# KiCad board bb-pcb-v1.kicad_pcb
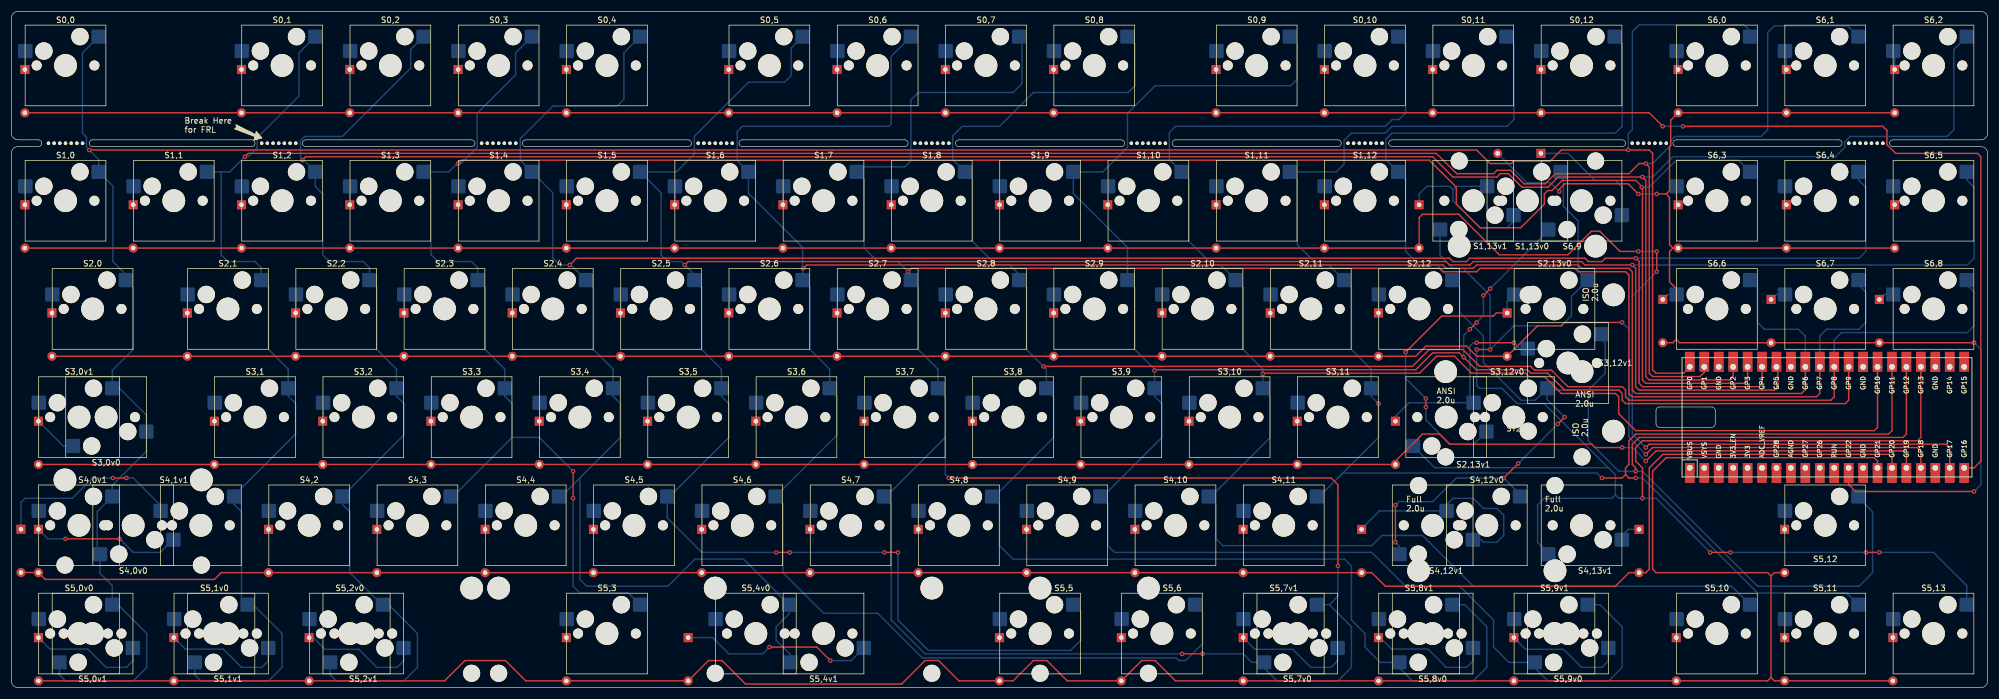
[diagram p0: board, top side]
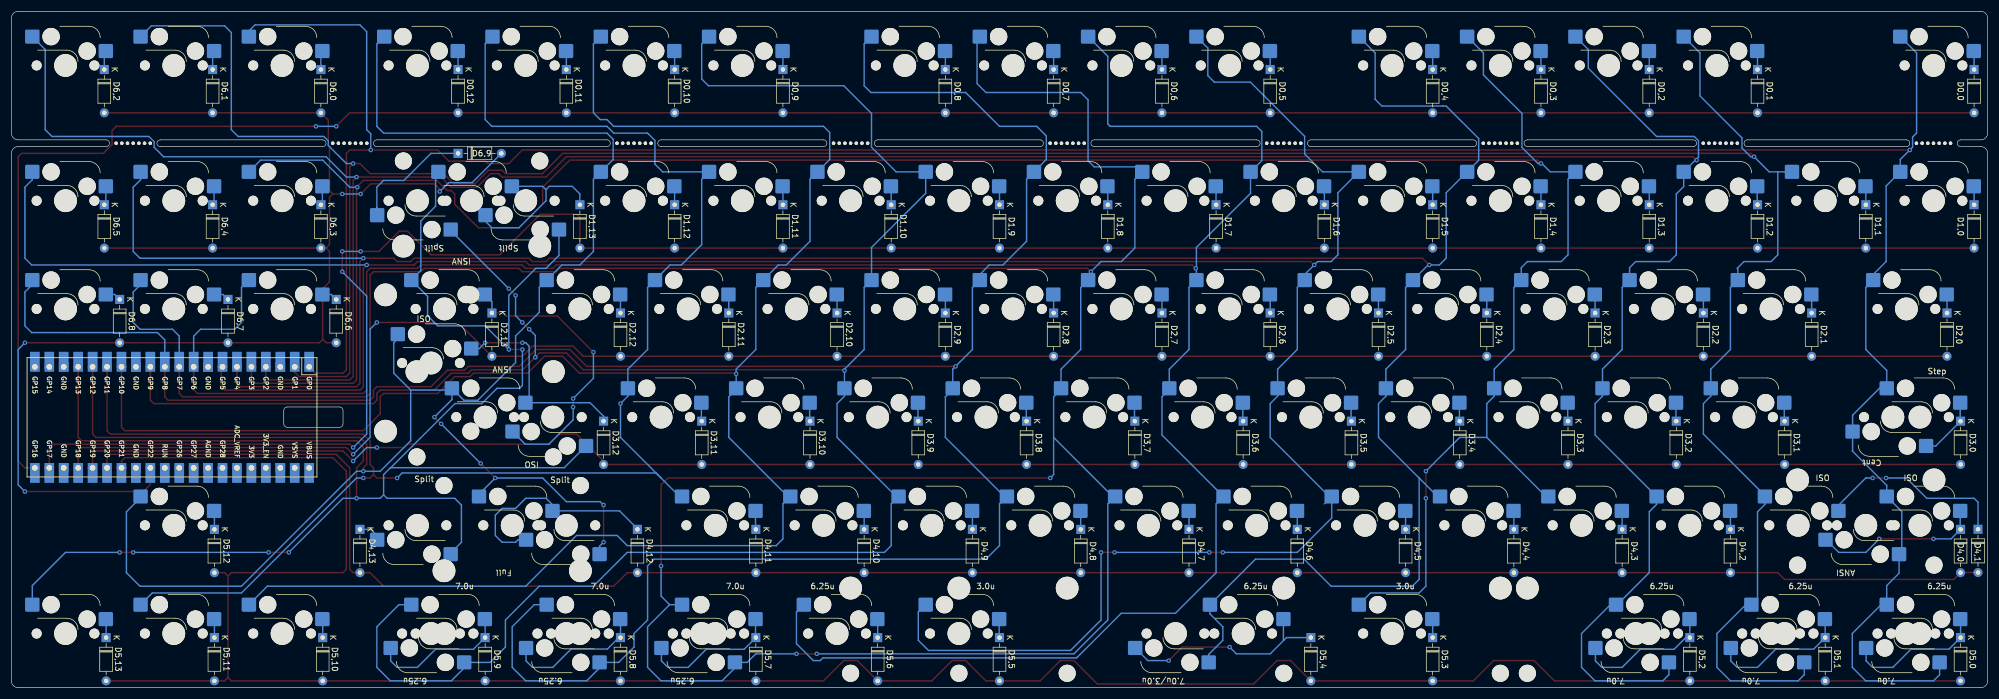
[diagram p1: board, bottom side, seen from below]

Outline 347.66 x 119.06 mm; copper layers: Top, Bottom. Coordinates in mm from the lower left corner of the outline.
Outline path: 0,94.06 0,1.19 arc(0.35,0.35) 1.19,0 346.47,0 arc(347.31,0.35) 347.66,1.19 347.66,94.06 arc(347.31,94.9) 346.47,95.25 330.99,95.25 arc(330.4,95.85) 330.99,96.44 346.47,96.44 arc(347.31,96.79) 347.66,97.63 347.66,117.87 arc(347.31,118.71) 346.47,119.06 1.19,119.06 arc(0.35,118.71) 0,117.87 0,97.63 arc(0.35,96.79) 1.19,96.44 4.76,96.44 arc(5.36,95.85) 4.76,95.25 1.19,95.25 arc(0.35,94.9) 0,94.06 ; 14.29,95.25 arc(13.69,95.85) 14.29,96.44 42.27,96.44 arc(42.86,95.85) 42.27,95.25 14.29,95.25 ; 51.79,95.25 arc(51.2,95.85) 51.79,96.44 80.96,96.44 arc(81.56,95.85) 80.96,95.25 51.79,95.25 ; 90.49,96.44 119.06,96.44 arc(119.66,95.85) 119.06,95.25 90.49,95.25 arc(89.89,95.85) 90.49,96.44 ; 128.59,96.44 157.16,96.44 arc(157.76,95.85) 157.16,95.25 128.59,95.25 arc(127.99,95.85) 128.59,96.44 ; 166.69,96.44 195.26,96.44 arc(195.86,95.85) 195.26,95.25 166.69,95.25 arc(166.09,95.85) 166.69,96.44 ; 204.79,96.44 233.36,96.44 arc(233.96,95.85) 233.36,95.25 204.79,95.25 arc(204.19,95.85) 204.79,96.44 ; 242.89,96.44 283.37,96.44 arc(283.96,95.85) 283.37,95.25 242.89,95.25 arc(242.29,95.85) 242.89,96.44 ; 289.32,48.82 arc(289.5,49.24) 289.92,49.41 299.15,49.41 arc(299.57,49.24) 299.74,48.82 299.74,46.43 arc(299.57,46.01) 299.15,45.84 289.92,45.84 arc(289.5,46.01) 289.32,46.43 289.32,48.82 ; 292.89,96.44 321.47,96.44 arc(322.06,95.85) 321.47,95.25 292.89,95.25 arc(292.3,95.85) 292.89,96.44

## Placement (name value [footprint] x y rotation side)
B0  Breakage  [breakage]  9.53 95.85 0 top
B1  Breakage  [breakage]  47.03 95.85 0 top
B2  Breakage  [breakage]  85.73 95.85 0 top
B3  Breakage  [breakage]  123.83 95.85 0 top
B4  Breakage  [breakage]  161.93 95.85 0 top
B5  Breakage  [breakage]  200.03 95.85 0 top
B6  Breakage  [breakage]  238.13 95.85 0 top
B7  Breakage  [breakage]  288.13 95.85 0 top
B8  Breakage  [breakage]  326.23 95.85 0 top
D0,0  Diode  [Diode_DO-35]  2.38 108.82 270 bottom
D0,1  Diode  [Diode_DO-35]  40.48 108.82 270 bottom
D0,2  Diode  [Diode_DO-35]  59.53 108.82 270 bottom
D0,3  Diode  [Diode_DO-35]  78.58 108.82 270 bottom
D0,4  Diode  [Diode_DO-35]  97.63 108.82 270 bottom
D0,5  Diode  [Diode_DO-35]  126.21 108.82 270 bottom
D0,6  Diode  [Diode_DO-35]  145.26 108.82 270 bottom
D0,7  Diode  [Diode_DO-35]  164.31 108.82 270 bottom
D0,8  Diode  [Diode_DO-35]  183.36 108.82 270 bottom
D0,9  Diode  [Diode_DO-35]  211.93 108.82 270 bottom
D0,10  Diode  [Diode_DO-35]  230.98 108.82 270 bottom
D0,11  Diode  [Diode_DO-35]  250.03 108.82 270 bottom
D0,12  Diode  [Diode_DO-35]  269.08 108.82 270 bottom
D1,0  Diode  [Diode_DO-35]  2.38 85.01 270 bottom
D1,1  Diode  [Diode_DO-35]  21.43 85.01 270 bottom
D1,2  Diode  [Diode_DO-35]  40.48 85.01 270 bottom
D1,3  Diode  [Diode_DO-35]  59.53 85.01 270 bottom
D1,4  Diode  [Diode_DO-35]  78.58 85.01 270 bottom
D1,5  Diode  [Diode_DO-35]  97.63 85.01 270 bottom
D1,6  Diode  [Diode_DO-35]  116.68 85.01 270 bottom
D1,7  Diode  [Diode_DO-35]  135.73 85.01 270 bottom
D1,8  Diode  [Diode_DO-35]  154.78 85.01 270 bottom
D1,9  Diode  [Diode_DO-35]  173.83 85.01 270 bottom
D1,10  Diode  [Diode_DO-35]  192.88 85.01 270 bottom
D1,11  Diode  [Diode_DO-35]  211.93 85.01 270 bottom
D1,12  Diode  [Diode_DO-35]  230.98 85.01 270 bottom
D1,13  Diode  [Diode_DO-35]  247.65 85.01 270 bottom
D2,0  Diode  [Diode_DO-35]  7.14 65.96 270 bottom
D2,1  Diode  [Diode_DO-35]  30.96 65.96 270 bottom
D2,2  Diode  [Diode_DO-35]  50.01 65.96 270 bottom
D2,3  Diode  [Diode_DO-35]  69.06 65.96 270 bottom
D2,4  Diode  [Diode_DO-35]  88.11 65.96 270 bottom
D2,5  Diode  [Diode_DO-35]  107.16 65.96 270 bottom
D2,6  Diode  [Diode_DO-35]  126.21 65.96 270 bottom
D2,7  Diode  [Diode_DO-35]  145.26 65.96 270 bottom
D2,8  Diode  [Diode_DO-35]  164.31 65.96 270 bottom
D2,9  Diode  [Diode_DO-35]  183.36 65.96 270 bottom
D2,10  Diode  [Diode_DO-35]  202.41 65.96 270 bottom
D2,11  Diode  [Diode_DO-35]  221.46 65.96 270 bottom
D2,12  Diode  [Diode_DO-35]  240.51 65.96 270 bottom
D2,13  Diode  [Diode_DO-35]  263.13 65.96 270 bottom
D3,0  Diode  [Diode_DO-35]  4.76 46.91 270 bottom
D3,1  Diode  [Diode_DO-35]  35.72 46.91 270 bottom
D3,2  Diode  [Diode_DO-35]  54.77 46.91 270 bottom
D3,3  Diode  [Diode_DO-35]  73.82 46.91 270 bottom
D3,4  Diode  [Diode_DO-35]  92.87 46.91 270 bottom
D3,5  Diode  [Diode_DO-35]  111.92 46.91 270 bottom
D3,6  Diode  [Diode_DO-35]  130.97 46.91 270 bottom
D3,7  Diode  [Diode_DO-35]  150.02 46.91 270 bottom
D3,8  Diode  [Diode_DO-35]  169.07 46.91 270 bottom
D3,9  Diode  [Diode_DO-35]  188.12 46.91 270 bottom
D3,10  Diode  [Diode_DO-35]  207.17 46.91 270 bottom
D3,11  Diode  [Diode_DO-35]  226.22 46.91 270 bottom
D3,12  Diode  [Diode_DO-35]  243.48 46.91 270 bottom
D4,0  Diode  [Diode_DO-35]  4.76 27.86 270 bottom
D4,1  Diode  [Diode_DO-35]  1.69 27.89 270 bottom
D4,2  Diode  [Diode_DO-35]  45.24 27.86 270 bottom
D4,3  Diode  [Diode_DO-35]  64.29 27.86 270 bottom
D4,4  Diode  [Diode_DO-35]  83.34 27.86 270 bottom
D4,5  Diode  [Diode_DO-35]  102.39 27.86 270 bottom
D4,6  Diode  [Diode_DO-35]  121.44 27.86 270 bottom
D4,7  Diode  [Diode_DO-35]  140.49 27.86 270 bottom
D4,8  Diode  [Diode_DO-35]  159.54 27.86 270 bottom
D4,9  Diode  [Diode_DO-35]  178.59 27.86 270 bottom
D4,10  Diode  [Diode_DO-35]  197.64 27.86 270 bottom
D4,11  Diode  [Diode_DO-35]  216.69 27.86 270 bottom
D4,12  Diode  [Diode_DO-35]  237.53 27.86 270 bottom
D4,13  Diode  [Diode_DO-35]  286.35 27.86 270 bottom
D5,0  Diode  [Diode_DO-35]  4.76 8.81 270 bottom
D5,1  Diode  [Diode_DO-35]  28.58 8.81 270 bottom
D5,2  Diode  [Diode_DO-35]  52.39 8.81 270 bottom
D5,3  Diode  [Diode_DO-35]  97.63 8.81 270 bottom
D5,4  Diode  [Diode_DO-35]  119.06 8.81 270 bottom
D5,5  Diode  [Diode_DO-35]  173.83 8.81 270 bottom
D5,6  Diode  [Diode_DO-35]  195.26 8.81 270 bottom
D5,7  Diode  [Diode_DO-35]  216.69 8.81 270 bottom
D5,8  Diode  [Diode_DO-35]  240.51 8.81 270 bottom
D5,9  Diode  [Diode_DO-35]  264.32 8.81 270 bottom
D5,10  Diode  [Diode_DO-35]  292.89 8.81 270 bottom
D5,11  Diode  [Diode_DO-35]  311.94 8.81 270 bottom
D5,12  Diode  [Diode_DO-35]  311.94 27.86 270 bottom
D5,13  Diode  [Diode_DO-35]  330.99 8.81 270 bottom
D6,0  Diode  [Diode_DO-35]  293.21 108.82 270 bottom
D6,1  Diode  [Diode_DO-35]  312.26 108.82 270 bottom
D6,2  Diode  [Diode_DO-35]  331.31 108.82 270 bottom
D6,3  Diode  [Diode_DO-35]  293.21 85.01 270 bottom
D6,4  Diode  [Diode_DO-35]  312.26 85.01 270 bottom
D6,5  Diode  [Diode_DO-35]  331.31 85.01 270 bottom
D6,6  Diode  [Diode_DO-35]  290.51 68.34 270 bottom
D6,7  Diode  [Diode_DO-35]  309.56 68.34 270 bottom
D6,8  Diode  [Diode_DO-35]  328.61 68.34 270 bottom
D6,9  Diode  [Diode_DO-35]  269.08 94.06 180 bottom
S0,0  Switch  [Hotswap_MX_1.00u]  9.53 109.54 0 top
S0,1  Switch  [Hotswap_MX_1.00u]  47.63 109.54 0 top
S0,2  Switch  [Hotswap_MX_1.00u]  66.68 109.54 0 top
S0,3  Switch  [Hotswap_MX_1.00u]  85.73 109.54 0 top
S0,4  Switch  [Hotswap_MX_1.00u]  104.78 109.54 0 top
S0,5  Switch  [Hotswap_MX_1.00u]  133.35 109.54 0 top
S0,6  Switch  [Hotswap_MX_1.00u]  152.4 109.54 0 top
S0,7  Switch  [Hotswap_MX_1.00u]  171.45 109.54 0 top
S0,8  Switch  [Hotswap_MX_1.00u]  190.5 109.54 0 top
S0,9  Switch  [Hotswap_MX_1.00u]  219.08 109.54 0 top
S0,10  Switch  [Hotswap_MX_1.00u]  238.13 109.54 0 top
S0,11  Switch  [Hotswap_MX_1.00u]  257.18 109.54 0 top
S0,12  Switch  [Hotswap_MX_1.00u]  276.23 109.54 0 top
S1,0  Switch  [Hotswap_MX_1.00u]  9.53 85.73 0 top
S1,1  Switch  [Hotswap_MX_1.00u]  28.58 85.73 0 top
S1,2  Switch  [Hotswap_MX_1.00u]  47.63 85.73 0 top
S1,3  Switch  [Hotswap_MX_1.00u]  66.68 85.73 0 top
S1,4  Switch  [Hotswap_MX_1.00u]  85.73 85.73 0 top
S1,5  Switch  [Hotswap_MX_1.00u]  104.78 85.73 0 top
S1,6  Switch  [Hotswap_MX_1.00u]  123.83 85.73 0 top
S1,7  Switch  [Hotswap_MX_1.00u]  142.88 85.73 0 top
S1,8  Switch  [Hotswap_MX_1.00u]  161.93 85.73 0 top
S1,9  Switch  [Hotswap_MX_1.00u]  180.98 85.73 0 top
S1,10  Switch  [Hotswap_MX_1.00u]  200.03 85.73 0 top
S1,11  Switch  [Hotswap_MX_1.00u]  219.08 85.73 0 top
S1,12  Switch  [Hotswap_MX_1.00u]  238.13 85.73 0 top
S1,13v0  Switch  [Hotswap_MX_2.00u]  266.7 85.73 0 top
S1,13v1  Switch  [Hotswap_MX_1.00u]  257.18 85.73 180 top
S2,0  Switch  [Hotswap_MX_1.50u]  14.29 66.68 0 top
S2,1  Switch  [Hotswap_MX_1.00u]  38.1 66.68 0 top
S2,2  Switch  [Hotswap_MX_1.00u]  57.15 66.68 0 top
S2,3  Switch  [Hotswap_MX_1.00u]  76.2 66.68 0 top
S2,4  Switch  [Hotswap_MX_1.00u]  95.25 66.68 0 top
S2,5  Switch  [Hotswap_MX_1.00u]  114.3 66.68 0 top
S2,6  Switch  [Hotswap_MX_1.00u]  133.35 66.68 0 top
S2,7  Switch  [Hotswap_MX_1.00u]  152.4 66.68 0 top
S2,8  Switch  [Hotswap_MX_1.00u]  171.45 66.68 0 top
S2,9  Switch  [Hotswap_MX_1.00u]  190.5 66.68 0 top
S2,10  Switch  [Hotswap_MX_1.00u]  209.55 66.68 0 top
S2,11  Switch  [Hotswap_MX_1.00u]  228.6 66.68 0 top
S2,12  Switch  [Hotswap_MX_1.00u]  247.65 66.68 0 top
S2,13v0  Switch  [Hotswap_MX_1.50u]  271.46 66.68 0 top
S2,13v1  Switch  [Hotswap_MX_1.00u]  252.41 47.63 180 top
S3,0v0  Switch  [Hotswap_MX_1.75u]  16.67 47.63 180 top
S3,0v1  Switch  [Hotswap_MX_1.00u]  11.91 47.63 0 top
S3,1  Switch  [Hotswap_MX_1.00u]  42.86 47.63 0 top
S3,2  Switch  [Hotswap_MX_1.00u]  61.91 47.63 0 top
S3,3  Switch  [Hotswap_MX_1.00u]  80.96 47.63 0 top
S3,4  Switch  [Hotswap_MX_1.00u]  100.01 47.63 0 top
S3,5  Switch  [Hotswap_MX_1.00u]  119.06 47.63 0 top
S3,6  Switch  [Hotswap_MX_1.00u]  138.11 47.63 0 top
S3,7  Switch  [Hotswap_MX_1.00u]  157.16 47.63 0 top
S3,8  Switch  [Hotswap_MX_1.00u]  176.21 47.63 0 top
S3,9  Switch  [Hotswap_MX_1.00u]  195.26 47.63 0 top
S3,10  Switch  [Hotswap_MX_1.00u]  214.31 47.63 0 top
S3,11  Switch  [Hotswap_MX_1.00u]  233.36 47.63 0 top
S3,12v0  Switch  [Hotswap_MX_2.25u]  264.32 47.63 0 top
S3,12v1  Switch  [Hotswap_MX_ISOEnter]  273.84 57.15 0 top
S4,0v0  Switch  [Hotswap_MX_2.25u]  21.43 28.58 180 top
S4,0v1  Switch  [Hotswap_MX_1.00u]  11.91 28.58 0 top
S4,1v1  Switch  [Hotswap_MX_1.00u]  33.34 28.58 0 top
S4,2  Switch  [Hotswap_MX_1.00u]  52.39 28.58 0 top
S4,3  Switch  [Hotswap_MX_1.00u]  71.44 28.58 0 top
S4,4  Switch  [Hotswap_MX_1.00u]  90.49 28.58 0 top
S4,5  Switch  [Hotswap_MX_1.00u]  109.54 28.58 0 top
S4,6  Switch  [Hotswap_MX_1.00u]  128.59 28.58 0 top
S4,7  Switch  [Hotswap_MX_1.00u]  147.64 28.58 0 top
S4,8  Switch  [Hotswap_MX_1.00u]  166.69 28.58 0 top
S4,9  Switch  [Hotswap_MX_1.00u]  185.74 28.58 0 top
S4,10  Switch  [Hotswap_MX_1.00u]  204.79 28.58 0 top
S4,11  Switch  [Hotswap_MX_1.00u]  223.84 28.58 0 top
S4,12v0  Switch  [Hotswap_MX_2.75u]  259.56 28.58 0 top
S4,12v1  Switch  [Hotswap_MX_1.00u]  250.03 28.58 180 top
S4,13v1  Switch  [Hotswap_MX_1.00u]  276.23 28.58 180 top
S5,0v0  Switch  [Hotswap_MX_1.25u]  11.91 9.53 0 top
S5,0v1  Switch  [Hotswap_MX_1.50u]  14.29 9.53 180 top
S5,1v0  Switch  [Hotswap_MX_1.25u]  35.72 9.53 0 top
S5,1v1  Switch  [Hotswap_MX_1.00u]  38.1 9.53 180 top
S5,2v0  Switch  [Hotswap_MX_1.25u]  59.53 9.53 0 top
S5,2v1  Switch  [Hotswap_MX_1.50u]  61.91 9.53 180 top
S5,3  Switch  [Hotswap_MX_3.00u]  104.78 9.53 0 top
S5,4v0  Switch  [Hotswap_MX_6.25u]  130.97 9.53 0 top
S5,4v1  Switch  [Hotswap_MX_7.00u]  142.88 9.53 180 top
S5,5  Switch  [Hotswap_MX_3.00u]  180.98 9.53 0 top
S5,6  Switch  [Hotswap_MX_1.25u]  202.41 9.53 0 top
S5,7v0  Switch  [Hotswap_MX_1.25u]  226.22 9.53 180 top
S5,7v1  Switch  [Hotswap_MX_1.50u]  223.84 9.53 0 top
S5,8v0  Switch  [Hotswap_MX_1.25u]  250.03 9.53 180 top
S5,8v1  Switch  [Hotswap_MX_1.00u]  247.65 9.53 0 top
S5,9v0  Switch  [Hotswap_MX_1.25u]  273.84 9.53 180 top
S5,9v1  Switch  [Hotswap_MX_1.50u]  271.46 9.53 0 top
S5,10  Switch  [Hotswap_MX_1.00u]  300.04 9.53 0 top
S5,11  Switch  [Hotswap_MX_1.00u]  319.09 9.53 0 top
S5,12  Switch  [Hotswap_MX_1.00u]  319.09 28.58 0 top
S5,13  Switch  [Hotswap_MX_1.00u]  338.14 9.53 0 top
S6,0  Switch  [Hotswap_MX_1.00u]  300.04 109.54 0 top
S6,1  Switch  [Hotswap_MX_1.00u]  319.09 109.54 0 top
S6,2  Switch  [Hotswap_MX_1.00u]  338.14 109.54 0 top
S6,3  Switch  [Hotswap_MX_1.00u]  300.04 85.73 0 top
S6,4  Switch  [Hotswap_MX_1.00u]  319.09 85.73 0 top
S6,5  Switch  [Hotswap_MX_1.00u]  338.14 85.73 0 top
S6,6  Switch  [Hotswap_MX_1.00u]  300.04 66.68 0 top
S6,7  Switch  [Hotswap_MX_1.00u]  319.09 66.68 0 top
S6,8  Switch  [Hotswap_MX_1.00u]  338.14 66.68 0 top
S6,9  Switch  [Hotswap_MX_1.00u]  276.23 85.73 180 top
ST1  Stabilizer  [Stabilizer_MX_2.00u_Exact]  21.43 28.58 180 top
ST2  Stabilizer  [Stabilizer_MX_2.00u_Exact]  264.32 47.63 180 top
ST3  Stabilizer  [Stabilizer_MX_2.00u_Exact]  266.7 85.73 0 top
ST4  Stabilizer  [Stabilizer_MX_6.25u_Exact]  130.97 9.53 180 top
ST5  Stabilizer  [Stabilizer_MX_7.00u_Exact]  142.88 9.53 180 top
ST6  Stabilizer  [Stabilizer_MX_3.00u_Exact_Left]  104.78 9.53 180 top
ST7  Stabilizer  [Stabilizer_MX_3.00u_Exact_Right]  180.98 9.53 180 top
ST8  Stabilizer  [Stabilizer_MX_2.00u_Exact]  273.84 57.15 90 top
ST9  Stabilizer  [Stabilizer_MX_2.00u_Exact]  259.56 28.58 0 top
U1  Raspberry_Pi_Pico  [Raspberry_Pi_Pico_Modified]  319.41 47.59 270 bottom

## Library data of the parts
B0-B8 ST1-ST9 = -: Description: Mounting Hole without connection
D0,0-D0,12 D1,0-D1,13 D2,0-D2,13 D3,0-D3,12 D4,0-D4,13 D5,0-D5,13 D6,0-D6,9 = -: Description: 1N4148 (DO-35) or 1N4148W (SOD-123); Sim.Device: D; Sim.Pins: 1=K 2=A
S0,0-S0,12 S1,0-S1,12 S1,13v0 S1,13v1 S2,0-S2,12 S2,13v0 S2,13v1 S3,0v0 S3,0v1 S3,1-S3,11 S3,12v0 S3,12v1 S4,0v0 S4,0v1 S4,1v1 S4,2-S4,11 S4,12v0 S4,12v1 S4,13v1 S5,0v0 S5,0v1 S5,1v0 S5,1v1 S5,2v0 S5,2v1 S5,3 S5,4v0 S5,4v1 S5,5 S5,6 S5,7v0 S5,7v1 S5,8v0 S5,8v1 S5,9v0 S5,9v1 S5,10-S5,13 S6,0-S6,9 = -: Description: Push button switch, generic, two pins

## Footprints (pads in the part's own frame, mm; a bottom-side part is the same pattern mirrored in y, then rotated)
breakage
  round 0.6 hole 0.6 unplated: (-3,0) (-2,0) (-1,0) (0,0) (1,0) (2,0) (3,0)
Diode_DO-35
  rect 1.6x1.6 hole 0.8: 1(0,0)
  oval 1.6x1.6 hole 0.8: 2(7.62,0)
Hotswap_MX_1.00u
  round 1.75 hole 1.75 unplated: (-5.08,0) (5.08,0)
  round 3.05 hole 3.05 unplated: (-3.81,2.54) (2.54,5.08)
  round 4 hole 4 unplated: (0,0)
  rrect 2.55x2.5 smd far side: 1(-7.085,2.54) 2(5.842,5.08)
Hotswap_MX_1.25u
  round 1.75 hole 1.75 unplated: (-5.08,0) (5.08,0)
  round 3.05 hole 3.05 unplated: (-3.81,2.54) (2.54,5.08)
  round 4 hole 4 unplated: (0,0)
  rrect 2.55x2.5 smd far side: 1(-7.085,2.54) 2(5.842,5.08)
Hotswap_MX_1.50u
  round 1.75 hole 1.75 unplated: (-5.08,0) (5.08,0)
  round 3.05 hole 3.05 unplated: (-3.81,2.54) (2.54,5.08)
  round 4 hole 4 unplated: (0,0)
  rrect 2.55x2.5 smd far side: 1(-7.085,2.54) 2(5.842,5.08)
Hotswap_MX_1.75u
  round 1.75 hole 1.75 unplated: (-5.08,0) (5.08,0)
  round 3.05 hole 3.05 unplated: (-3.81,2.54) (2.54,5.08)
  round 4 hole 4 unplated: (0,0)
  rrect 2.55x2.5 smd far side: 1(-7.085,2.54) 2(5.842,5.08)
Hotswap_MX_2.00u
  round 1.75 hole 1.75 unplated: (-5.08,0) (5.08,0)
  round 3.05 hole 3.05 unplated: (-3.81,2.54) (2.54,5.08)
  round 4 hole 4 unplated: (0,0)
  rrect 2.55x2.5 smd far side: 1(-7.085,2.54) 2(5.842,5.08)
Hotswap_MX_2.25u
  round 1.75 hole 1.75 unplated: (-5.08,0) (5.08,0)
  round 3.05 hole 3.05 unplated: (-3.81,2.54) (2.54,5.08)
  round 4 hole 4 unplated: (0,0)
  rrect 2.55x2.5 smd far side: 1(-7.085,2.54) 2(5.842,5.08)
Hotswap_MX_2.75u
  round 1.75 hole 1.75 unplated: (-5.08,0) (5.08,0)
  round 3.05 hole 3.05 unplated: (-3.81,2.54) (2.54,5.08)
  round 4 hole 4 unplated: (0,0)
  rrect 2.55x2.5 smd far side: 1(-7.085,2.54) 2(5.842,5.08)
Hotswap_MX_3.00u
  round 1.75 hole 1.75 unplated: (-5.08,0) (5.08,0)
  round 3.05 hole 3.05 unplated: (-3.81,2.54) (2.54,5.08)
  round 4 hole 4 unplated: (0,0)
  rrect 2.55x2.5 smd far side: 1(-7.085,2.54) 2(5.842,5.08)
Hotswap_MX_6.25u
  round 1.75 hole 1.75 unplated: (-5.08,0) (5.08,0)
  round 3.05 hole 3.05 unplated: (-3.81,2.54) (2.54,5.08)
  round 4 hole 4 unplated: (0,0)
  rrect 2.55x2.5 smd far side: 1(-7.085,2.54) 2(5.842,5.08)
Hotswap_MX_7.00u
  round 1.75 hole 1.75 unplated: (-5.08,0) (5.08,0)
  round 3.05 hole 3.05 unplated: (-3.81,2.54) (2.54,5.08)
  round 4 hole 4 unplated: (0,0)
  rrect 2.55x2.5 smd far side: 1(-7.085,2.54) 2(5.842,5.08)
Hotswap_MX_ISOEnter
  round 1.75 hole 1.75 unplated: (-5.08,0) (5.08,0)
  round 3.05 hole 3.05 unplated: (-3.81,2.54) (2.54,5.08)
  round 4 hole 4 unplated: (0,0)
  rrect 2.55x2.5 smd far side: 1(-7.085,2.54) 2(5.842,5.08)
Raspberry_Pi_Pico_Modified
  oval 1.7x1.7 hole 1.02: 1(-8.89,24.13) 2(-8.89,21.59) 4(-8.89,16.51) 5(-8.89,13.97) 6(-8.89,11.43) 7(-8.89,8.89) 9(-8.89,3.81) 10(-8.89,1.27) 11(-8.89,-1.27) 12(-8.89,-3.81) 14(-8.89,-8.89) 15(-8.89,-11.43) 16(-8.89,-13.97) 17(-8.89,-16.51) 19(-8.89,-21.59) 20(-8.89,-24.13) 21(8.89,-24.13) 22(8.89,-21.59) 24(8.89,-16.51) 25(8.89,-13.97) 26(8.89,-11.43) 27(8.89,-8.89) 29(8.89,-3.81) 30(8.89,-1.27) 31(8.89,1.27) 32(8.89,3.81) 34(8.89,8.89) 35(8.89,11.43) 36(8.89,13.97) 37(8.89,16.51) 39(8.89,21.59) 40(8.89,24.13)
  rect 3.5x1.7 smd far side: 1(-8.89,24.13) 2(-8.89,21.59) 3(-8.89,19.05) 4(-8.89,16.51) 5(-8.89,13.97) 6(-8.89,11.43) 7(-8.89,8.89) 8(-8.89,6.35) 9(-8.89,3.81) 10(-8.89,1.27) 11(-8.89,-1.27) 12(-8.89,-3.81) 13(-8.89,-6.35) 14(-8.89,-8.89) 15(-8.89,-11.43) 16(-8.89,-13.97) 17(-8.89,-16.51) 18(-8.89,-19.05) 19(-8.89,-21.59) 20(-8.89,-24.13) 21(8.89,-24.13) 22(8.89,-21.59) 23(8.89,-19.05) 24(8.89,-16.51) 25(8.89,-13.97) 26(8.89,-11.43) 27(8.89,-8.89) 28(8.89,-6.35) 29(8.89,-3.81) 30(8.89,-1.27) 31(8.89,1.27) 32(8.89,3.81) 33(8.89,6.35) 34(8.89,8.89) 35(8.89,11.43) 36(8.89,13.97) 37(8.89,16.51) 38(8.89,19.05) 39(8.89,21.59) 40(8.89,24.13)
  rect 3.5x1.7 smd: 1(-8.89,24.13) 2(-8.89,21.59) 3(-8.89,19.05) 4(-8.89,16.51) 5(-8.89,13.97) 6(-8.89,11.43) 7(-8.89,8.89) 8(-8.89,6.35) 9(-8.89,3.81) 10(-8.89,1.27) 11(-8.89,-1.27) 12(-8.89,-3.81) 13(-8.89,-6.35) 14(-8.89,-8.89) 15(-8.89,-11.43) 16(-8.89,-13.97) 17(-8.89,-16.51) 18(-8.89,-19.05) 19(-8.89,-21.59) 20(-8.89,-24.13) 21(8.89,-24.13) 22(8.89,-21.59) 23(8.89,-19.05) 24(8.89,-16.51) 25(8.89,-13.97) 26(8.89,-11.43) 27(8.89,-8.89) 28(8.89,-6.35) 29(8.89,-3.81) 30(8.89,-1.27) 31(8.89,1.27) 32(8.89,3.81) 33(8.89,6.35) 34(8.89,8.89) 35(8.89,11.43) 36(8.89,13.97) 37(8.89,16.51) 38(8.89,19.05) 39(8.89,21.59) 40(8.89,24.13)
  rect 1.7x1.7 hole 1.02: 3(-8.89,19.05) 8(-8.89,6.35) 13(-8.89,-6.35) 18(-8.89,-19.05) 23(8.89,-19.05) 28(8.89,-6.35) 33(8.89,6.35) 38(8.89,19.05)
Stabilizer_MX_2.00u_Exact
  round 3 hole 3 unplated: (-12,7) (12,7)
  round 4 hole 4 unplated: (-12,-8) (12,-8)
Stabilizer_MX_3.00u_Exact_Left
  round 3 hole 3 unplated: (-19.05,7)
  round 4 hole 4 unplated: (-19.05,-8)
Stabilizer_MX_3.00u_Exact_Right
  round 3 hole 3 unplated: (19.05,7)
  round 4 hole 4 unplated: (19.05,-8)
Stabilizer_MX_6.25u_Exact
  round 3 hole 3 unplated: (-50,7) (50,7)
  round 4 hole 4 unplated: (-50,-8) (50,-8)
Stabilizer_MX_7.00u_Exact
  round 3 hole 3 unplated: (-57.15,7) (57.15,7)
  round 4 hole 4 unplated: (-57.15,-8) (57.15,-8)
